# Altium PCB Arrow-ESC.PcbDoc (continued)
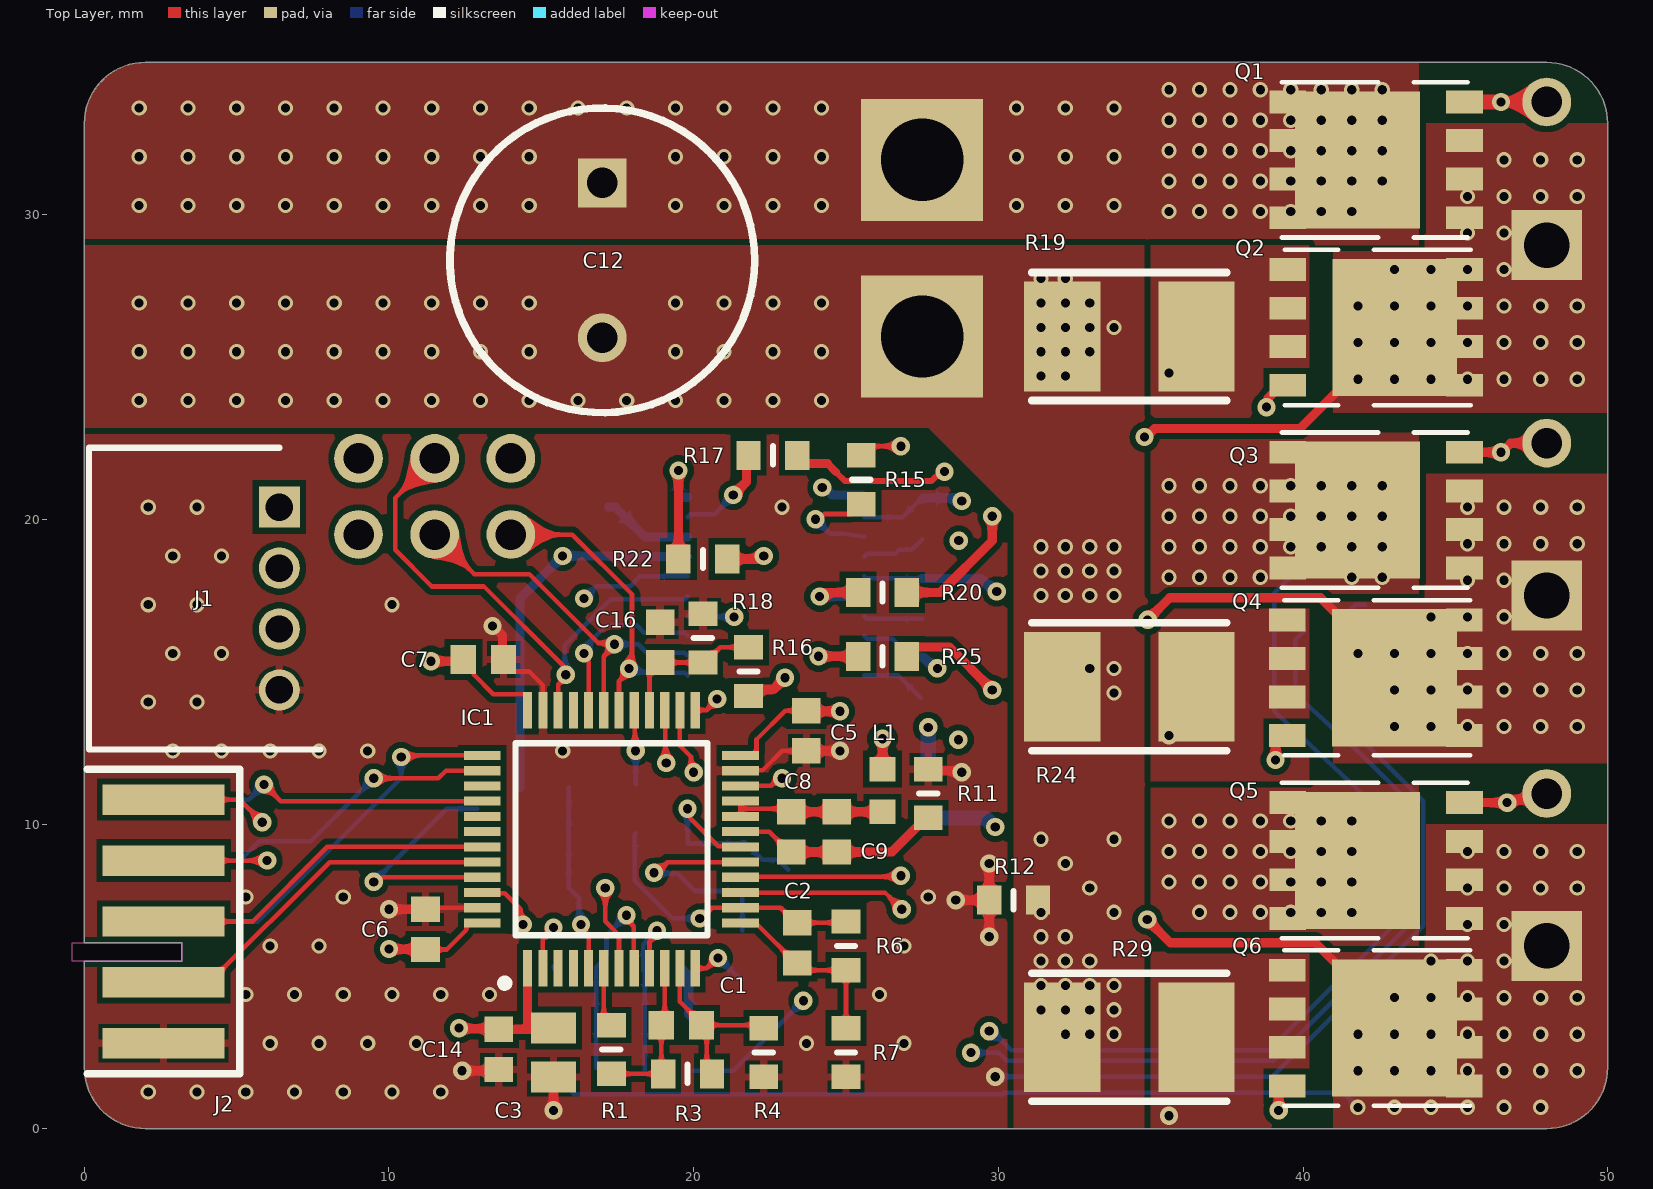
[diagram p0: Top Layer view]
## Components (designator, comment, footprint, x,y, rotation, side; value= is the part's Value field where it differs from the comment)
C1 "0603,NP0,120pF,50V,5%" CAPC1608X90N 19.6,3.4 r180 top (schematic designator C7)
C2 "0603,NP0,120pF,50V,5%" CAPC1608X90N 23.4,6.1 r90 top (schematic designator C8)
C3 "0805,X5R,10uF,25V,10%" CAPC2012X145N 15.4,2.5 r90 top (schematic designator C9)
C4 "0603,X7R,100nF,50V,10%" CAPC1608X90N 40.4,14.3 r180 bottom (schematic designator C10)
C5 "0603,X7R,100nF,50V,10%" CAPC1608X90N 23.7,13.06 r90 top (schematic designator C11)
C6 "0603,X7R,100nF,50V,10%" CAPC1608X90N 11.2,6.54 r270 top (schematic designator C12)
C7 "0603,X7R,100nF,50V,10%" CAPC1608X90N 13.1,15.4 r180 top (schematic designator C13)
C8 "0603,X7R,100nF,50V,10%" CAPC1608X90N 23.2,9.74 r90 top (schematic designator C14)
C9 "0603,X7R,1uF,50V,10%" CAPC1608X90N 24.7,9.74 r90 top (schematic designator C15)
C10 "0603,NP0,120pF,50V,5%" CAPC1608X90N 19.8,8.7 r270 bottom (schematic designator C16)
C11 "0805,X5R,10uF,25V,10%" CAPC2012X145N 17.2,19.6 r270 bottom (schematic designator C1)
C12 "1000uF,25V,20%" CAP-TH_BD10.0-P5.00-D1.0-FD 17,28.5 r270 top (schematic designator C2)
C13 "0603,X7R,15nF,50V,10%" CAPC1608X90N 15.24,7.9 r0 bottom (schematic designator C3)
C14 "0603,X7R,100nF,50V,10%" CAPC1608X90N 13.6,2.6 r90 top (schematic designator C4)
C15 "0603,X7R,100nF,50V,10%" CAPC1608X90N 27.5,20 r270 bottom (schematic designator C5)
C16 "0603,X7R,15nF,50V,10%" CAPC1608X90N 18.9,15.96 r270 top (schematic designator C6)
C17 "0603,X7R,100nF,50V,10%" CAPC1608X90N 27.5,17.4 r270 bottom (schematic designator C5)
C18 "0603,X7R,15nF,50V,10%" CAPC1608X90N 19,5.2 r180 bottom (schematic designator C6)
C19 "0603,X7R,100nF,50V,10%" CAPC1608X90N 27.5,14.8 r270 bottom (schematic designator C5)
C20 "0603,X7R,15nF,50V,10%" CAPC1608X90N 16.14,5.3 r0 bottom (schematic designator C6)
IC1 "STM32G431CBT6" QFP50P900X900X160-48N 17.3,9.5 r90 top (schematic designator IC3)
IC2 "DRV8300DPWR" SOP65P640X120-20N 22.7,17.8 r0 bottom (schematic designator IC1)
IC3 "TMP236A2DBZR" SOT95P237X112-3N 41,17.2 r0 bottom (schematic designator IC2)
J1 "S4B-PH-K-S_LF__SN_" SHDRRA4W50P0X200_1X4_990X760X480P 6.4,20.4 r90 top (schematic designator J2)
J2 "STLINK-SW" 009159010061911 2.6,2.8 r90 top (schematic designator J1)
L1 "600R@100MHz" L0603 26.2,11.1 r90 top
Q1 "SIR182DP-T1-RE3" POWERPAK-SO-8_L5.9-W4.9-P1.27-LS6.2-BL 42.4,31.8 r90 top
Q2 "SIR182DP-T1-RE3" POWERPAK-SO-8_L5.9-W4.9-P1.27-LS6.2-BL 42.4,26.3 r270 top
Q3 "SIR182DP-T1-RE3" POWERPAK-SO-8_L5.9-W4.9-P1.27-LS6.2-BL 42.4,20.3 r90 top (schematic designator Q1)
Q4 "SIR182DP-T1-RE3" POWERPAK-SO-8_L5.9-W4.9-P1.27-LS6.2-BL 42.39,14.8 r270 top (schematic designator Q2)
Q5 "SIR182DP-T1-RE3" POWERPAK-SO-8_L5.9-W4.9-P1.27-LS6.2-BL 42.4,8.8 r90 top (schematic designator Q1)
Q6 "SIR182DP-T1-RE3" POWERPAK-SO-8_L5.9-W4.9-P1.27-LS6.2-BL 42.39,3.3 r270 top (schematic designator Q2)
R1 "0603,0R,5%" RESC1608X55N 17.3,2.6 r90 top (schematic designator R8)
R2 "0603,4.7K,1%" RESC1608X55N 12.9,9.7 r90 bottom (schematic designator R9)
R3 "0603,100K,1%" RESC1608X55N 19.8,1.8 r180 top (schematic designator R10)
R4 "0603,1K,1%" RESC1608X55N 22.3,2.5 r90 top (schematic designator R11)
R5 "0603,0R,5%" RESC1608X55N 18.1,10.5 r90 bottom (schematic designator R12)
R6 "0603,100K,1%" RESC1608X55N 25,6 r90 top (schematic designator R13)
R7 "0603,1K,1%" RESC1608X55N 25,2.5 r90 top (schematic designator R14)
R8 "0603,0R,5%" RESC1608X55N 21.6,5.7 r270 bottom (schematic designator R15)
R9 "0603,100K,1%" RESC1608X55N 21.6,8.6 r270 bottom (schematic designator R16)
R10 "0603,1K,1%" RESC1608X55N 23.1,9.3 r270 bottom (schematic designator R17)
R11 "0603,0R,5%" RESC1608X55N 27.7,11 r90 top (schematic designator R18)
R12 "0603,0R,5%" RESC1608X55N 30.5,7.5 r0 top (schematic designator R19)
R13 "0603,4.7K,1%" RESC1608X55N 15.1,11.2 r180 bottom (schematic designator R1)
R14 "0603,1K,1%" RESC1608X55N 15.1,9.5 r0 bottom (schematic designator R2)
R15 "0603,22R,1%" RESC1608X55N 25.5,21.3 r90 top (schematic designator R3)
R16 "0603,4.7K,1%" RESC1608X55N 21.8,15 r270 top (schematic designator R4)
R17 "0603,22R,1%" RESC1608X55N 22.6,22.1 r0 top (schematic designator R5)
R18 "0603,1K,1%" RESC1608X55N 20.3,16.1 r270 top (schematic designator R6)
R19 "2512,1mR,1%" RES-SMD_L6.4-W3.2_RLP25 34.3,26 r0 top (schematic designator R7)
R20 "0603,22R,1%" RESC1608X55N 26.2,17.6 r0 top (schematic designator R3)
R21 "0603,4.7K,1%" RESC1608X55N 19.2,1.9 r0 bottom (schematic designator R4)
R22 "0603,22R,1%" RESC1608X55N 20.3,18.7 r0 top (schematic designator R5)
R23 "0603,1K,1%" RESC1608X55N 19.2,3.6 r180 bottom (schematic designator R6)
R24 "2512,1mR,1%" RES-SMD_L6.4-W3.2_RLP25 34.3,14.5 r0 top (schematic designator R7)
R25 "0603,22R,1%" RESC1608X55N 26.2,15.5 r0 top (schematic designator R3)
R26 "0603,4.7K,1%" RESC1608X55N 16,2 r180 bottom (schematic designator R4)
R27 "0603,22R,1%" RESC1608X55N 27.7,11 r270 bottom (schematic designator R5)
R28 "0603,1K,1%" RESC1608X55N 16,3.6 r0 bottom (schematic designator R6)
R29 "2512,1mR,1%" RES-SMD_L6.4-W3.2_RLP25 34.3,3 r0 top (schematic designator R7)

## Footprints (in the part's own frame and the unit in brackets; to place one, negate y for a bottom-side part, rotate by r counter-clockwise, add the part's x,y. Pads: shape width x height; smd on the part's side, far side on the other; paste and mask are expansions set on the pad)
009159010061911 [mm]
  rect 1x4 smd: 1(0,0) 2(2,0) 3(4,0) 4(6,0) 5(8,0)
  rect 1x4 smd far side: 6(0,0) 7(2,0) 8(4,0) 9(6,0) 10(8,0)
  Keep-Out Layer board cut-out: 2.7,3 3.3,3 3.3,-0.6 2.7,-0.6
  silkscreen extent -1,-2.5 9,2.5
CAP-TH_BD10.0-P5.00-D1.0-FD [mm]
  rect 1.6x1.6 hole 1: 1(-2.54,0)
  round 1.6 hole 1: 2(2.54,0)
  silkscreen extent -5,-5 5,5, body extent -4.99,-5 5.01,5, height 16.1
CAPC1608X90N [mm]
  rect 0.83x0.94 smd: 1(-0.66,0) 2(0.66,0)
  body extent -0.8,-0.4 0.8,0.4, height 0.9
CAPC2012X145N [mm]
  rect 1.02x1.47 smd: 1(-0.8,0) 2(0.8,0)
  body extent -1,-0.63 1,0.63, height 1.45
L0603 [mm]
  rect 0.8x0.86 smd: 1(-0.7,0) 2(0.7,0)
  body extent -0.8,-0.4 0.8,0.4, height 0.5
POWERPAK-SO-8_L5.9-W4.9-P1.27-LS6.2-BL [mm]
  rect 0.75x1.2 smd: 1(-1.9,-2.9) 2(-0.63,-2.9) 3(0.63,-2.9) 4(1.9,-2.9) 5(1.9,2.9) 6(0.63,2.9) 7(-0.63,2.9) 8(-1.9,2.9)
  rect 4.5x4.1 smd: 8(0,0.61)
  silkscreen extent -2.55,-3 2.55,3.1, body extent -2.58,-3.08 2.58,3.08, height 1.06
QFP50P900X900X160-48N [mm]
  rect 1.2x0.3 smd: 1(-4.238,2.75) 2(-4.238,2.25) 3(-4.238,1.75) 4(-4.238,1.25) 5(-4.238,0.75) 6(-4.238,0.25) 7(-4.238,-0.25) 8(-4.238,-0.75) 9(-4.238,-1.25) 10(-4.238,-1.75) 11(-4.238,-2.25) 12(-4.238,-2.75) 25(4.238,-2.75) 26(4.238,-2.25) 27(4.238,-1.75) 28(4.238,-1.25) 29(4.238,-0.75) 30(4.238,-0.25) 31(4.238,0.25) 32(4.238,0.75) 33(4.238,1.25) 34(4.238,1.75) 35(4.238,2.25) 36(4.238,2.75)
  rect 0.3x1.2 smd: 13(-2.75,-4.238) 14(-2.25,-4.238) 15(-1.75,-4.238) 16(-1.25,-4.238) 17(-0.75,-4.238) 18(-0.25,-4.238) 19(0.25,-4.238) 20(0.75,-4.238) 21(1.25,-4.238) 22(1.75,-4.238) 23(2.25,-4.238) 24(2.75,-4.238) 37(2.75,4.238) 38(2.25,4.238) 39(1.75,4.238) 40(1.25,4.238) 41(0.75,4.238) 42(0.25,4.238) 43(-0.25,4.238) 44(-0.75,4.238) 45(-1.25,4.238) 46(-1.75,4.238) 47(-2.25,4.238) 48(-2.75,4.238)
  silkscreen extent -4.85,-3.15 3.15,3.62, body extent -4.5,-4.5 4.5,4.5, height 1.6
RES-SMD_L6.4-W3.2_RLP25 [mm]
  rect 2.5x3.6 smd: 1(-2.2,0) 2(2.2,0)
  silkscreen extent -3.2,-2.1 3.2,2.1, body extent -3.2,-1.6 3.2,1.6, height 0.54
RESC1608X55N [mm]
  rect 0.8x0.95 smd: 1(-0.8,0) 2(0.8,0)
  silkscreen extent 0,-0.3 0,0.3, body extent -0.8,-0.4 0.8,0.4, height 0.55
SHDRRA4W50P0X200_1X4_990X760X480P [mm]
  rect 1.35x1.35 hole 0.9: 1(0,0)
  round 1.35 hole 0.9: 2(-2,0) 3(-4,0) 4(-6,0)
  silkscreen extent -7.95,-1.35 1.95,6.25, body extent -7.95,-1.3 1.95,6.3, height 4.8
SOP65P640X120-20N [mm]
  rect 1.5x0.45 smd: 1(-2.9,2.925) 2(-2.9,2.275) 3(-2.9,1.625) 4(-2.9,0.975) 5(-2.9,0.325) 6(-2.9,-0.325) 7(-2.9,-0.975) 8(-2.9,-1.625) 9(-2.9,-2.275) 10(-2.9,-2.925) 11(2.9,-2.925) 12(2.9,-2.275) 13(2.9,-1.625) 14(2.9,-0.975) 15(2.9,-0.325) 16(2.9,0.325) 17(2.9,0.975) 18(2.9,1.625) 19(2.9,2.275) 20(2.9,2.925)
  silkscreen extent -3.67,-3.25 1.85,3.5, body extent -3.2,-3.25 3.2,3.25, height 1.13
SOT95P237X112-3N [mm]
  rect 1.25x0.6 smd: 1(-1.05,0.95) 2(-1.05,-0.95) 3(1.05,0)
  silkscreen extent -1.68,-1.46 0.08,1.5, body extent -1.27,-1.46 1.27,1.46, height 1

## Part data
C1 C2 C10: library part CC0603JRNPO9BN121, "50V 120pF NP0 ±5% 0603 Multilayer Ceramic Capacitors MLCC - SMD/SMT ROHS", Arrow Part Number=CC0603KRX7R9BB104, LCSC Part #=C107035, Manufacturer_Name=YAGEO, Mouser Part Number=603-CC603KRX7R9BB104, Arrow Price/Stock=https://www.arrow.com/en/products/cc0603krx7r9bb104/yageo?utm_currency=USD&region=europe, Datasheet Link=https://componentsearchengine.com/Datasheets/2/CC0603KRX7R9BB104.pdf, Height=0.9mm, Manufacturer_Part_Number=CC0603JRNPO9BN121, Mouser Price/Stock=https://www.mouser.co.uk/ProductDetail/YAGEO/CC0603KRX7R9BB104?qs=vTakOoo5QyLvVCYM2ge8LQ%3D%3D
C3 C11: library part CC0805KKX5R8BB106, "10 µF ±10% 25V Ceramic Capacitor X5R 0805 (2012 Metric)", LCSC Part #=C89831, Manufacturer_Name=YAGEO, Mouser Part Number=603-CC805KKX5R8BB106, Arrow Part Number=CC0805KKX5R8BB106, Arrow Price/Stock=https://www.arrow.com/en/products/cc0805kkx5r8bb106/yageo?utm_currency=USD&region=nac, Datasheet Link=https://www.yageo.com/upload/media/product/productsearch/datasheet/mlcc/UPY-GPHC_X5R_4V-to-50V_27.pdf, Height=1.45mm, Manufacturer_Part_Number=CC0805KKX5R8BB106, Mouser Price/Stock=https://www.mouser.co.uk/ProductDetail/YAGEO/CC0805KKX5R8BB106?qs=57cj7OiSijm89pM64t1AGQ%3D%3D
C4 C5 C6 C7 C8 C14 C15 C17 C19: library part CC0603KRX7R9BB104, "50V 100nF X7R ±10% 0603 Multilayer Ceramic Capacitors MLCC - SMD/SMT ROHS", LCSC Part #=C14663, Manufacturer_Name=YAGEO, Mouser Part Number=603-CC603KRX7R9BB104, Arrow Part Number=CC0603KRX7R9BB104, Arrow Price/Stock=https://www.arrow.com/en/products/cc0603krx7r9bb104/yageo?utm_currency=USD&region=europe, Datasheet Link=https://componentsearchengine.com/Datasheets/2/CC0603KRX7R9BB104.pdf, Height=0.9mm, Manufacturer_Part_Number=CC0603KRX7R9BB104, Mouser Price/Stock=https://www.mouser.co.uk/ProductDetail/YAGEO/CC0603KRX7R9BB104?qs=vTakOoo5QyLvVCYM2ge8LQ%3D%3D
C9: library part CC0603KRX7R9BB105, "50V 1uF X7R ±10% 0603 Multilayer Ceramic Capacitors MLCC - SMD/SMT ROHS", LCSC Part #=C559769, Manufacturer_Name=YAGEO, Mouser Part Number=603-CC603KRX7R9BB105, Arrow Part Number=CC0603KRX7R9BB105, Arrow Price/Stock=https://www.arrow.com/en/products/cc0603krx7r9bb105/yageo?utm_currency=USD&region=nac, Datasheet Link=https://www.yageo.com/upload/media/product/app/datasheet/mlcc/upy-gphc_x7r_6_3v-to-250v.pdf, Height=0.95mm, Manufacturer_Part_Number=CC0603KRX7R9BB105, Mouser Price/Stock=https://www.mouser.co.uk/ProductDetail/YAGEO/CC0603KRX7R9BB105?qs=6wERJjOp3mmF17%252BYi8cgJQ%3D%3D
C12: library part 25PK1000MEFC10*16, "1000uF 25V ±20% 870mA@120Hz Through Hole,D10xL16mm Aluminum Electrolytic Capacitors - Leaded ROHS", LCSC Part #=C109451
C13 C16 C18 C20: library part CC0603KRX7R9BB153, "50V 15nF X7R ±10% 0603 Multilayer Ceramic Capacitors MLCC - SMD/SMT ROHS", Arrow Part Number=CC0603KRX7R9BB104, LCSC Part #=C107076, Manufacturer_Name=YAGEO, Mouser Part Number=603-CC603KRX7R9BB104, Arrow Price/Stock=https://www.arrow.com/en/products/cc0603krx7r9bb104/yageo?utm_currency=USD&region=europe, Datasheet Link=https://componentsearchengine.com/Datasheets/2/CC0603KRX7R9BB104.pdf, Height=0.9mm, Manufacturer_Part_Number=CC0603KRX7R9BB153, Mouser Price/Stock=https://www.mouser.co.uk/ProductDetail/YAGEO/CC0603KRX7R9BB104?qs=vTakOoo5QyLvVCYM2ge8LQ%3D%3D
IC1: "Arm Cortex-M4 32-bit MCU+FPU, 170 MHz / 213 DMIPS, up to 128 KB Flash, 32 KB SRAM, rich analog, math accelerator", LCSC Part #=C529355, Manufacturer_Name=STMicroelectronics, Mouser Part Number=511-STM32G431CBT6, Arrow Part Number=STM32G431CBT6, Arrow Price/Stock=https://www.arrow.com/en/products/stm32g431cbt6/stmicroelectronics?utm_currency=USD&region=nac, Datasheet Link=https://www.st.com/resource/en/datasheet/stm32g431cb.pdf, Height=1.6mm, Manufacturer_Part_Number=STM32G431CBT6, Mouser Price/Stock=https://www.mouser.co.uk/ProductDetail/STMicroelectronics/STM32G431CBT6?qs=T3oQrply3y8OocyGDXq5wg%3D%3D
IC2: "TSSOP-20 Brushless DC (BLDC) Motor Driver ROHS", LCSC Part #=C3036056, Manufacturer_Name="Texas Instruments", Mouser Part Number=595-DRV8300DPWR, Arrow Part Number=DRV8300DPWR, Arrow Price/Stock=https://www.arrow.com/en/products/drv8300dpwr/texas-instruments?utm_currency=USD&region=nac, Height=1.2mm, Manufacturer_Part_Number=DRV8300DPWR, Mouser Price/Stock=https://www.mouser.co.uk/ProductDetail/Texas-Instruments/DRV8300DPWR?qs=eP2BKZSCXI6qJbKdYnGwBg%3D%3D
IC3: "Low-power and high-precision analog output temperature sensor", LCSC Part #=C2859666, Manufacturer_Name="Texas Instruments", Mouser Part Number=595-TMP236A2DBZR, Arrow Part Number=TMP236A2DBZR, Arrow Price/Stock=https://www.arrow.com/en/products/tmp236a2dbzr/texas-instruments?region=nac, Datasheet Link=http://www.ti.com/lit/gpn/tmp236, Height=1.12mm, Manufacturer_Part_Number=TMP236A2DBZR, Mouser Price/Stock=https://www.mouser.co.uk/ProductDetail/Texas-Instruments/TMP236A2DBZR?qs=lc2O%252BfHJPVanftlPgPUvow%3D%3D
J1: "1x4P 4P PH Tin 4 -25℃~+85℃ 2A 1 2mm Brass Right Angle Through Hole,Right Angle,P=2mm Wire To Board Connector ROHS", Arrow Part Number=S4B-PH-K-S(LF)(SN), LCSC Part #=C157926, Manufacturer_Name="JST (JAPAN SOLDERLESS TERMINALS)", Mouser Part Number=N/A, Arrow Price/Stock=https://www.arrow.com/en/products/s4b-ph-k-s-lf-sn/jst-manufacturing?utm_currency=USD&region=europe, Datasheet Link=https://datasheet.lcsc.com/szlcsc/JST-Sales-America-PHsocket-1-4P-Curved-needle-pitch2mm_C157926.pdf, Height=4.8mm, Manufacturer_Part_Number=S4B-PH-K-S(LF)(SN), Mouser Price/Stock=https://www.mouser.co.uk/ProductDetail/JST-Commercial/S4B-PH-K-SLFSN?qs=QpmGXVUTftEGA16rwNx4xw%3D%3D
J2: "SSL Connector 10 Position Adapter, Bridge Board to Board - Card Edge 0.079\" (2.00mm)"
L1: library part BLM18AG601SN1D, "380mΩ ±25% 600Ω@100MHz 0603 Ferrite Beads ROHS", LCSC Part #=C19330
Q1 Q2 Q3 Q4 Q5 Q6: "60V 117A 2.8mΩ@10V,15A 2V 1 N-Channel PowerPAKSO-8 MOSFETs ROHS", LCSC Part #=C467943
R1 R5 R8 R11 R12: library part RC0603JR-070RL, "100mW Thick Film Resistor 75V ±5% 0Ω 0603 Chip Resistor - Surface Mount ROHS", LCSC Part #=C95177, Manufacturer_Name=YAGEO, Datasheet Link=https://www.mouser.com/catalog/specsheets/YAGEO_PYu_RC_Group_51_RoHS_L_12.pdf, Height=0.55mm, Manufacturer_Part_Number=RC0603JR-070RL
R2 R13 R16 R21 R26: library part RC0603FR-074K7L, "100mW Thick Film Resistor 75V ±100ppm/℃ ±1% 4.7kΩ 0603 Chip Resistor - Surface Mount ROHS", LCSC Part #=C99782, Manufacturer_Name=YAGEO, Datasheet Link=https://www.mouser.com/catalog/specsheets/YAGEO_PYu_RC_Group_51_RoHS_L_12.pdf, Height=0.55mm, Manufacturer_Part_Number=RC0603FR-074K7L
R3 R6 R9: library part RC0603FR-07100KL, "100mW Thick Film Resistor 75V ±100ppm/℃ ±1% 100kΩ 0603 Chip Resistor - Surface Mount ROHS", LCSC Part #=C14675, Manufacturer_Name=YAGEO, Datasheet Link=https://www.mouser.com/catalog/specsheets/YAGEO_PYu_RC_Group_51_RoHS_L_12.pdf, Height=0.55mm, Manufacturer_Part_Number=RC0603FR-07100KL
R4 R7 R10 R14 R18 R23 R28: library part RC0603FR-071KL, "100mW Thick Film Resistor 75V ±100ppm/℃ ±1% 1kΩ 0603 Chip Resistor - Surface Mount ROHS", LCSC Part #=C22548, Manufacturer_Name=YAGEO, Datasheet Link=https://www.mouser.com/catalog/specsheets/YAGEO_PYu_RC_Group_51_RoHS_L_12.pdf, Height=0.55mm, Manufacturer_Part_Number=RC0603FR-071KL
R15 R17 R20 R22 R25 R27: library part RC0603FR-0722RL, "100mW Thick Film Resistor 75V ±100ppm/℃ ±1% 22Ω 0603 Chip Resistor - Surface Mount ROHS", LCSC Part #=C107701, Manufacturer_Name=YAGEO, Mouser Part Number=603-RC0603FR-0722RL, Arrow Part Number=RC0603FR-0722RL, Arrow Price/Stock=https://www.arrow.com/en/products/rc0603fr-0722rl/yageo?region=nac, Datasheet Link=http://www.farnell.com/datasheets/1868787.pdf, Height=0.55mm, Manufacturer_Part_Number=RC0603FR-0722RL, Mouser Price/Stock=https://www.mouser.co.uk/ProductDetail/YAGEO/RC0603FR-0722RL?qs=diQw95jMAeMOsxb8bne7fg%3D%3D
R19 R24 R29: library part PA2512FKF7T0R001E, "3W 1mΩ Surface Mount Current Sense Resistor ±100ppm/℃ ±1% 2512 Current Sense Resistors / Shunt Resistors ROHS", LCSC Part #=C723380

## Free pads (board coordinates)
  rect 4x4 hole 2.7: 26(27.5,26) 26(27.5,31.8)
  round 1.6 hole 1: 27(9,19.5) 27(9,22) 27(11.5,19.5) 27(11.5,22) 27(14,19.5) 27(14,22) 27(48,11) 27(48,22.5) 27(48,33.7)
  rect 2.3x2.3 hole 1.5: A(48,6) B(48,17.5) C(48,29)

## Via types
v1: diameter 0.5, hole 0.3, Top Layer to Bottom Layer, 343 vias
v2: diameter 0.6, hole 0.3, Top Layer to Bottom Layer, tented both sides, 78 vias
v3: diameter 0.5, hole 0.3, Top Layer to Bottom Layer, tented both sides, 44 vias
v4: diameter 0.6, hole 0.3, Top Layer to Bottom Layer, 1 vias

## Nets (pads, with @x,y where several pads share a name; then routed paths per layer and width w, separated by ;. In a path a pad name is that pad's centre, name@x,y a point inside that pad or via, vN(x,y) a via of type N, cw(c..) or ccw(c..) an arc to the next point about the centre after c; other vN are vias at no path point)
ADC1_IN1: C20.2 IC1.8 R26.1 R28.2 | length 7.3
  Top Layer w0.15: v2(17.793,7.004) 17.793,6.882 18.029,6.646 18.029,5.283 IC1.8
  Bottom Layer w0.15: R26.1 R28.2 C20.2 17.14,5.64 17.14,6.351 v2(17.793,7.004)
ADC1_IN2: C18.2 IC1.9 R21.1 R23.2 | length 6.2
  Top Layer w0.15: IC1.9 18.55,6.128 18.8,6.378 v2(18.8,6.5)
  Bottom Layer w0.15: R21.1 R23.2 18.4,5.14 C18.2 18.34,6.04 v2(18.8,6.5)
ADC1_IN5: C16.2 IC1.28 R16.1 R18.2 | length 5.1
  Top Layer w0.15: IC1.28 18.55,14.96 18.89,15.3 20.375,15.3 20.875,15.8 R16.1@22.099,15.8
ADC1_IN10: C13.2 IC1.5 R13.1 R14.2 | length 6.2
  Top Layer w0.15: v2(16.3,6.7) 16.3,6.578 16.55,6.328 IC1.5
  Bottom Layer w0.15: R13.1 R14.2 C13.2 16.24,7.56 16.24,6.76 v2(16.3,6.7)
ADC1_IN11: IC1.26 IC3.2 | length 44.7
  Top Layer w0.15: IC1.26 19.55,12.566 19.914,12.202 19.914,11.786 v2(20,11.7)
  Int4 w0.3: v2(20,11.7) 28.5,3.2 v2(29.7,3.2)
  Bottom Layer w0.15: v2(29.7,3.2) 29.799,3.2 30.424,2.575 38.875,2.575 43.1,6.8 43.1,9.908 43.056,9.952 43.054,9.953 39.211,13.555 39.209,13.557 39.05,13.716 39.05,17.575 39.723,18.248 IC3.2@40.048,18.248
ADC2_IN10: IC1.6 R1.2 | length 2
  Top Layer w0.15: IC1.6 17.05,3.65 R1.2
ADC2_IN15: IC1.29 R5.2 | length 2.5
  Top Layer w0.15: IC1.29 18.071,13.717 18.071,12.429 v2(18.095,12.405)
  Bottom Layer w0.15: v2(18.095,12.405) 18.095,11.305 R5.2
ADC2_IN17: IC1.12 R8.2 | length 2
  Top Layer w0.15: IC1.12 20.425,5.262 20.763,5.6 v2(20.8,5.6)
  Bottom Layer w0.15: v2(20.8,5.6) 20.825,5.6 21.525,4.9 R8.2
AGND: C8.1 C9.1 IC1.19 R11.1 | length 6.9
  Top Layer w0.15: IC1.19 22.475,9.75 23.145,9.08 C8.1
  Top Layer w0.3: C8.1 C9.1 26.505,9.08 27.625,10.2 R11.1
DGND: C3.1 C4.1 C5.1 C6.1 C7.1 C11.1 C13.1 C14.1 C16.1 C18.1 C20.1 IC1.23 IC1.35 IC1.47 IC2.8 IC3.3 J1.4 J2.1 R2.1 R4.1 R7.1 R10.1 R11.2 R12.1 R14.1 R18.1 R23.1 R28.1 | length 50.8
  Top Layer w0.15: C6.1 11.25,7.25 IC1.47 ; C7.1 13.76,15.345 14.1,15.005 14.608,15.005 15.05,14.563 IC1.35 ; IC1.23 21.559,11.771 22.274,11.771 22.903,12.4 C5.1
  Top Layer w0.3: v2(10,7.2) C6.1 ; v2(12.4,1.9) 13.56,1.9 C14.1 ; v2(13.4,16.5) 13.416,16.5 13.73,16.186 13.73,15.43 C7.1 ; v2(15.4,0.6) C3.1 ; C5.1@23.9,12.2 C5.1 v2(24.8,12.4) ; R11.2 27.75,11.75 28.75,11.75 v2(28.8,11.7) ; v2(28.6,7.5) R12.1 ; v2(29.7,6.3) R12.1 ; v2(29.7,8.7) R12.1
  Bottom Layer w0.15: v2(29.9,1.704) 38.994,1.704 43.95,6.66 43.95,10.749 41.06,13.639 41.06,16.535 41.725,17.2 IC3.3
  Bottom Layer w0.3: C11.1 17.425,20.4 18.4,19.425 IC2.8 ; C18.1 19.83,5.03 19.83,3.77 R23.1
  other v3: 2.1,1.2 3.7,1.2 5.3,1.2 6.9,1.2 8.5,1.2 10.1,1.2 11.7,1.2 6.1,2.8 7.7,2.8 9.3,2.8 10.9,2.8 23.7,2.8 26.9,2.8 5.3,4.4 6.9,4.4 8.5,4.4 10.1,4.4 11.7,4.4 13.3,4.4 26.1,4.4 6.1,6 7.7,6 26.9,6 5.3,7.6 8.5,7.6 27.7,7.6 2.9,12.4 4.5,12.4 6.1,12.4 7.7,12.4 9.3,12.4 15.7,12.4 2.1,14 3.7,14 2.9,15.6 4.5,15.6 2.1,17.2 3.7,17.2 10.1,17.2 2.9,18.8 4.5,18.8 2.1,20.4 3.7,20.4 22.9,20.4
NetC15_1: C15.1 IC2.12 pad.C Q1.1 Q1.2 Q1.3 Q2.5 Q2.6 Q2.7 Q2.8 R16.2 | length 28.7
  Top Layer w0.3: R16.2 22.017,14.417 22.617,14.417 v2(23,14.8) ; v2(34.8,22.7) 34.847,22.7 35.126,22.979 39.889,22.979 41.61,24.7 Q2.8@41.8,24.7
  Int4 w0.3: v2(23,14.8) 24.392,14.8 26.567,16.975 26.567,18.367 v2(28.8,20.6) 29.85,21.65 33.75,21.65 v2(34.8,22.7)
  Bottom Layer w0.15: IC2.12 26.86,20.075 27.445,20.66 C15.1
  Bottom Layer w0.3: C15.1 27.54,20.7 28.619,20.7 28.719,20.6 v2(28.8,20.6)
  other v1: 41.8,24.6 43,24.6 44.2,24.6 45.4,24.6 46.6,24.6 47.8,24.6 49,24.6 41.8,25.8 43,25.8 44.2,25.8 45.4,25.8 46.6,25.8 47.8,25.8 49,25.8 41.8,27 43,27 44.2,27 45.4,27 46.6,27 47.8,27 49,27 43,28.2 44.2,28.2 45.4,28.2 46.6,28.2 45.4,29.4 46.6,29.4 45.4,30.6 46.6,30.6 47.8,30.6 49,30.6 46.6,31.8 47.8,31.8 49,31.8
NetC15_2: C15.2 IC2.14 | length 2.1
  Bottom Layer w0.15: IC2.14 25.696,18.871 26.625,18.871 26.754,19 27.16,19 C15.2
NetC17_1: C17.1 IC2.15 pad.B Q3.1 Q3.2 Q3.3 Q4.5 Q4.6 Q4.7 Q4.8 R21.2 | length 38.6
  Top Layer w0.3: v2(34.9,16.7) 35.625,17.425 40.575,17.425 41.8,16.2 v1(41.8,15.6)
  Int3 w0.3: v2(23.6,4.2) 23.6,7.675 v2(28.689,12.764)
  Int4 w0.3: v2(28.689,12.764) 28.689,14.57 30.319,16.2 ; v2(29.948,17.632) 29.948,16.57 30.319,16.2 ; v2(34.9,16.7) 34.839,16.7 34.339,16.2 30.319,16.2
  Bottom Layer w0.15: R21.2 21.3,1.9 v2(23.6,4.2) ; IC2.15 25.665,18.06 C17.1
  Bottom Layer w0.3: C17.1 29.439,18.06 29.867,17.632 v2(29.948,17.632)
  other v1: 43,13.2 44.2,13.2 45.4,13.2 46.6,13.2 47.8,13.2 49,13.2 43,14.4 44.2,14.4 45.4,14.4 46.6,14.4 47.8,14.4 49,14.4 43,15.6 44.2,15.6 45.4,15.6 46.6,15.6 47.8,15.6 49,15.6 44.2,16.8 45.4,16.8 46.6,16.8 45.4,18 46.6,18 45.4,19.2 46.6,19.2 47.8,19.2 49,19.2 45.4,20.4 46.6,20.4 47.8,20.4 49,20.4
NetC17_2: C17.2 IC2.17 | length 1.9
  Bottom Layer w0.15: IC2.17 25.685,16.74 C17.2
NetC19_1: C19.1 IC2.18 pad.A Q5.1 Q5.2 Q5.3 Q6.5 Q6.6 Q6.7 Q6.8 R26.2 | length 50.3
  Top Layer w0.3: v2(34.889,6.863) 35.649,6.103 40.397,6.103 42.2,4.3 v1(43,4.3)
  Int1 w0.3: v2(27.998,15.108) 27.998,14.402 30.5,11.9 30.5,11.251 v2(34.889,6.863)
  Bottom Layer w0.15: R26.2 15.2,1.925 15.525,1.6 15.6,1.6 16.071,1.129 30.138,1.129 30.184,1.175 41.325,1.175 v1(41.8,0.7) ; IC2.18 25.696,16.079 26.526,16.079 26.805,15.8 27.16,15.8 C19.1
  Bottom Layer w0.3: C19.1 27.555,15.46 27.849,15.166 27.94,15.166 v2(27.998,15.108)
  other v1: 43,0.7 44.2,0.7 45.4,0.7 46.6,0.7 47.8,0.7 41.8,1.9 43,1.9 44.2,1.9 45.4,1.9 46.6,1.9 47.8,1.9 49,1.9 41.8,3.1 43,3.1 44.2,3.1 45.4,3.1 46.6,3.1 47.8,3.1 49,3.1 44.2,4.3 45.4,4.3 46.6,4.3 47.8,4.3 49,4.3 44.2,5.5 45.4,5.5 46.6,5.5 45.4,6.7 46.6,6.7 45.4,7.9 46.6,7.9 47.8,7.9 49,7.9 45.4,9.1 46.6,9.1 47.8,9.1 49,9.1
NetC19_2: C19.2 IC2.20 | length 2.1
  Bottom Layer w0.15: IC2.20 26.71,14.875 C19.2@27.445,14.14
NetIC1_45: IC1.45 R2.2 | length 8
  Top Layer w0.15: v2(9.5,8.1) 9.622,8.1 9.772,8.25 IC1.45
  Bottom Layer w0.15: v2(9.5,8.1) 11.9,10.5 R2.2
NetIC2_9: IC2.9 R17.1 | length 3.3
  Top Layer w0.3: v2(21.3,20.8) 21.729,21.229 21.729,22.029 R17.1
  Bottom Layer w0.15: IC2.9 19.896,20.171 20.686,20.171 21.3,20.785 v2(21.3,20.8)
NetIC2_10: IC2.10 R22.1 | length 4
  Top Layer w0.3: R22.1 v2(19.5,21.6)
  Bottom Layer w0.3: v2(19.5,21.6) 19.5,20.8 19.575,20.725 IC2.10
NetIC2_11: IC2.11 R27.1 | length 12.2
  Int1 w0.5: v2(24.22,21.046) 26.047,19.219 26.047,14.853 27.681,13.219 27.681,13.19 v2(27.7,13.171)
  Bottom Layer w0.3: v2(24.22,21.046) 24.301,21.046 24.547,20.8 25.525,20.8 IC2.11
  Bottom Layer w0.5: R27.1 v2(27.7,13.171)
NetIC2_13: IC2.13 R15.1 | length 3.5
  Top Layer w0.15: v2(24,20.004) 24.122,20.004 24.293,20.175 25.175,20.175 R15.1
  Bottom Layer w0.15: v2(24,20.004) 24,20 24.479,19.521 24.925,19.521 IC2.13
NetIC2_16: IC2.16 R20.1 | length 2.8
  Top Layer w0.3: v2(24.135,17.464) 24.217,17.464 24.352,17.6 R20.1
  Bottom Layer w0.3: v2(24.135,17.464) 24.141,17.47 25.595,17.47 IC2.16
NetIC2_19: IC2.19 R25.1 | length 2.8
  Top Layer w0.3: v2(24.1,15.504) 25.396,15.504 R25.1
  Bottom Layer w0.3: v2(24.1,15.504) 24.111,15.515 25.589,15.515 IC2.19
NetQ1_4: pad.27@48,33.7 Q1.4 R15.2 | length 28.5
  Top Layer w0.15: R15.2 25.9,22.4 v2(26.8,22.4)
  Top Layer w0.3: v2(46.5,33.7) pad.27@48,33.7
  Top Layer w0.5: Q1.4 v2(46.5,33.7)
  Int1 w0.5: v2(26.8,22.4) 27.6,23.2 31.85,23.2 35.05,26.4 39.21,26.4 46.5,33.69 v2(46.5,33.7)
NetQ2_4: Q2.4 R17.2 | length 17.9
  Top Layer w0.2: 24.671,21.553 24.97,21.254 27.803,21.254 27.95,21.401 27.964,21.401 28.114,21.551 28.114,21.564 v2(28.235,21.564)
  Top Layer w0.25: 24.398,21.827 24.671,21.553
  Top Layer w0.3: R17.2 23.4,22.077 23.65,21.827 24.398,21.827 ; v2(38.8,23.683) 38.857,23.74 38.857,23.982 39.275,24.4 Q2.4
  Int1 w0.5: v2(28.235,21.564) 32.464,21.564 34.583,23.683 v2(38.8,23.683)
NetQ3_4: pad.27@48,22.5 Q3.4 R20.2 | length 24.7
  Top Layer w0.3: R20.2 28.1,17.6 29.8,19.3 v2(29.8,20.1) ; Q3.4@45.34,22.2 46.514,22.2 46.814,22.5 pad.27@48,22.5
  Int1 w0.5: v2(29.8,20.1) 33.3,20.1 35.4,22.2 v2(46.5,22.2)
NetQ4_4: Q4.4 R22.2 | length 23.2
  Top Layer w0.3: R22.2 22.119,18.7 22.219,18.8 v2(22.3,18.8) ; v2(39.1,12.1) 39.1,12.675 39.325,12.9 Q4.4
  Int3 w0.3: v2(22.3,18.8) 22.8,19.3 v2(28.7,19.3)
  Int1 w0.5: v2(28.7,19.3) 28.7,17.7 34.3,12.1 v2(39.1,12.1)
NetQ5_4: pad.27@48,11 Q5.4 R25.2 | length 24.6
  Top Layer w0.3: R25.2 27,15.562 27.25,15.812 28.388,15.812 v2(29.8,14.4) ; Q5.4@45.525,10.7 46.781,10.7 46.891,10.81 47.81,10.81 pad.27@48,11
  Int1 w0.5: v2(29.8,14.4) 33.3,10.9 46.473,10.9 46.673,10.7 v2(46.7,10.7)
NetQ6_4: Q6.4 R27.2 | length 16.4
  Top Layer w0.3: v2(39.2,0.6) 39.2,1.175 39.425,1.4 Q6.4
  Int1 w0.5: v2(29.9,9.9) v2(39.2,0.6)
  Bottom Layer w0.5: R27.2 29.573,10.2 29.873,9.9 v2(29.9,9.9)
NRST: IC1.7 J2.4 | length 17.7
  Top Layer w0.15: J2.4 v2(6,8.8) ; v2(17.1,7.9) 17.1,6.808 17.55,6.358 IC1.7
  Int3 w0.15: v2(6,8.8) 11.39,8.8 12.29,7.9 v2(17.1,7.9)
OPAMP1_VINM: C1.1 IC1.11 R3.1 R4.2 | length 6
  Top Layer w0.15: IC1.11 19.55,4.165 20.26,3.455 C1.1 ; R3.1 20.43,1.97 20.43,3.23 C1.1 ; R4.2 22.2,3.4 C1.1
OPAMP1_VINP: IC1.15 Q6.1 Q6.2 Q6.3 R29.2 | length 17.1
  Top Layer w0.15: IC1.15 26.279,7.75 v2(26.829,7.2)
  Int4 w0.3: v2(26.829,7.2) 33.604,0.425 v2(35.6,0.425)
OPAMP1_VOUT: C1.2 IC1.10 R1.1 R3.2 | length 5.2
  Top Layer w0.15: R1.1 R3.2 18.94,1.86 C1.2 19.05,3.51 IC1.10
OPAMP2_VINM: C2.1 IC1.13 R6.1 R7.2 | length 6
  Top Layer w0.15: IC1.13 21.613,6.675 22.11,6.675 23.345,5.44 C2.1 23.64,5.2 R6.1 R7.2
OPAMP2_VINP: IC1.16 Q4.1 Q4.2 Q4.3 R24.2 | length 16
  Top Layer w0.15: IC1.16 21.559,8.271 26.771,8.271 v2(26.8,8.3)
  Int4 w0.3: v2(26.8,8.3) 30.5,12 34.696,12 v2(35.6,12.904)
OPAMP2_VOUT: C2.2 IC1.14 R5.1 R6.2 | length 9.4
  Top Layer w0.15: v2(20.2,6.9) 20.242,6.9 20.592,7.25 IC1.14 22.855,7.25 23.345,6.76 C2.2 24.96,6.76 R6.2
  Bottom Layer w0.15: R5.1 18.071,9.671 18.071,8.139 19.31,6.9 v2(20.2,6.9)
OPAMP3_VINM: C10.1 IC1.18 R9.1 R10.2 | length 7.2
  Top Layer w0.15: v2(19.8,10.5) 19.886,10.414 19.886,10.187 20.802,9.271 21.517,9.271 IC1.18
  Bottom Layer w0.15: v2(19.8,10.5) C10.1 21.56,9.36 R9.1 21.675,9.4 22.25,8.825 22.775,8.825 R10.2
OPAMP3_VINP: IC1.27 Q2.1 Q2.2 Q2.3 R19.2 | length 24.4
  Top Layer w0.15: IC1.27 19.071,13.717 19.071,12.029 v2(19.1,12)
  Int4 w0.3: v2(19.1,12) 19.1,13.425 21.235,15.56 23.431,17.756 27.975,22.3 33.1,22.3 v2(35.6,24.8)
OPAMP3_VOUT: C10.2 IC1.17 R8.1 R9.2 | length 7.4
  Top Layer w0.15: v2(18.7,8.4) 18.8,8.4 19.15,8.75 IC1.17
  Bottom Layer w0.15: v2(18.7,8.4) 18.72,8.38 19.46,8.38 C10.2 20.04,7.8 R9.2 R8.1
PGND: C12.2 pad.26@27.5,26 R12.2 R19.1 R24.1 R29.1
  other v1: 32.2,3.1 33,3.1 33.8,3.1 31.4,3.9 32.2,3.9 33,3.9 33.8,3.9 31.4,4.7 32.2,4.7 33,4.7 33.8,4.7 31.4,5.5 32.2,5.5 33,5.5 31.4,6.3 32.2,6.3 31.4,7.1 33.8,7.1 33,7.9 32.2,8.7 31.4,9.5 33.8,9.5 33.8,14.3 33,15.1 33.8,15.1 31.4,17.5 32.2,17.5 33,17.5 33.8,17.5 31.4,18.3 32.2,18.3 33,18.3 33.8,18.3 31.4,19.1 32.2,19.1 33,19.1 33.8,19.1 1.8,23.9 3.4,23.9 5,23.9 6.6,23.9 8.2,23.9 9.8,23.9 11.4,23.9 13,23.9 14.6,23.9 16.2,23.9 17.8,23.9 19.4,23.9 21,23.9 22.6,23.9 24.2,23.9 31.4,24.7 32.2,24.7 1.8,25.5 3.4,25.5 5,25.5 6.6,25.5 8.2,25.5 9.8,25.5 11.4,25.5 13,25.5 14.6,25.5 19.4,25.5 21,25.5 22.6,25.5 24.2,25.5 31.4,25.5 32.2,25.5 33,25.5 31.4,26.3 32.2,26.3 33,26.3 33.8,26.3 1.8,27.1 3.4,27.1 5,27.1 6.6,27.1 8.2,27.1 9.8,27.1 11.4,27.1 13,27.1 14.6,27.1 19.4,27.1 21,27.1 22.6,27.1 24.2,27.1 31.4,27.1 32.2,27.1 33,27.1 31.4,27.9 32.2,27.9
SYS_SWCLK: IC1.38 J2.9 | length 11.7
  Top Layer w0.15: v2(9.5,11.5) 11.622,11.5 11.872,11.75 IC1.38
  Bottom Layer w0.15: J2.9 5.11,8.8 5.741,9.43 7.43,9.43 v2(9.5,11.5)
SYS_SWDIO: IC1.37 J2.8 | length 13.1
  Top Layer w0.15: v2(10.4,12.2) 10.45,12.25 IC1.37
  Bottom Layer w0.15: J2.8 5.69,6.8 10.4,11.51 v2(10.4,12.2)
SYS_SWO: IC1.40 J2.10 | length 10.9
  Top Layer w0.15: v2(5.9,11.3) 6.45,10.75 IC1.40
  Bottom Layer w0.15: J2.10 5.4,10.8 v2(5.9,11.3)
TIM1_CH1: IC1.30 IC2.1 pad.27@14,19.5 | length 10.8
  Top Layer w0.15: pad.27@14,19.5 16.013,19.5 17.975,17.538 17.975,15.321 17.876,15.222 v2(17.876,15.1) 17.876,15.01 17.55,14.684 IC1.30
  Bottom Layer w0.15: v2(17.876,15.1) 17.998,15.1 18.127,14.971 19.704,14.971 IC2.1
TIM1_CH1N: IC1.2 IC2.4 pad.27@14,22 | length 25.2
  Top Layer w0.15: IC1.2 15.05,6.208 15.4,6.558 v2(15.4,6.6)
  Int4 w0.15: pad.27@14,22 16.129,22 v2(21.329,16.8) 15.4,10.871 v2(15.4,6.6)
  Bottom Layer w0.15: IC2.4 19.825,16.8 v2(21.329,16.8)
TIM1_CH2: IC1.31 IC2.2 pad.27@11.5,19.5 | length 12.3
  Top Layer w0.15: pad.27@11.5,19.5 12.796,18.204 14.609,18.204 16.875,15.938 17.362,15.938 v2(17.4,15.9) 17.4,15.858 17.05,15.508 IC1.31
  Bottom Layer w0.15: v2(17.4,15.9) 18.184,15.9 18.463,15.621 19.704,15.621 IC2.2
TIM1_CH2N: IC1.34 IC2.5 pad.27@11.5,22 | length 17.9
  Top Layer w0.15: pad.27@11.5,22 10.2,20.7 10.2,19 11.404,17.796 13.117,17.796 15.714,15.199 15.714,14.986 v2(15.8,14.9) 15.8,14.813 15.55,14.563 IC1.34
  Bottom Layer w0.15: v2(15.8,14.9) 15.771,14.929 15.771,15.871 17.279,17.379 19.704,17.379 IC2.5
TIM1_CH3: IC1.32 IC2.3 pad.27@9,19.5 | length 15
  Top Layer w0.15: v2(16.4,15.6) 16.4,15.478 16.55,15.328 IC1.32
  Int3 w0.15: pad.27@9,19.5 11.046,17.454 14.546,17.454 v2(16.4,15.6)
  Bottom Layer w0.15: v2(16.4,15.6) 16.486,15.686 16.486,15.876 17.139,16.529 18.126,16.529 18.384,16.271 19.704,16.271 IC2.3
TIM1_CH3N: IC1.46 IC2.6 pad.27@9,22 | length 27.6
  Top Layer w0.15: IC1.46 13.083,7.729 13.798,7.729 14.314,7.213 14.314,6.786 v2(14.4,6.7)
  Int4 w0.15: pad.27@9,22 10.425,20.575 14.938,20.575 16.475,19.038 16.475,17.475 v2(16.4,17.4) 14.4,15.4 v2(14.4,6.7)
  Bottom Layer w0.15: v2(16.4,17.4) 16.806,17.806 17.916,17.806 18.235,18.125 IC2.6
USART1_RX: IC1.44 J2.2 | length 12.1
  Top Layer w0.15: J2.2 4.1,4.8 8.05,8.75 IC1.44
USART1_TX: IC1.43 J2.3 | length 11.5
  Top Layer w0.15: J2.3 5.529,6.8 7.979,9.25 IC1.43
USART3_RX: IC1.25 J1.2 | length 17.3
  Top Layer w0.15: IC1.25 20.425,13.738 20.771,14.084 v2(20.771,14.1)
  Int3 w0.15: J1.2 11.02,13.78 20.348,13.78 20.668,14.1 v2(20.771,14.1)
USART3_TX: IC1.22 J1.3 | length 20
  Top Layer w0.15: IC1.22 22.528,11.25 22.778,11.5 v2(22.9,11.5)
  Int3 w0.15: J1.3 9.7,13.1 21.3,13.1 v2(22.9,11.5)
VBATT: C11.2 C12.1 IC2.7 pad.26@27.5,31.8 Q1.5 Q1.6 Q1.7 Q1.8 Q3.5 Q3.6 Q3.7 Q3.8 Q5.5 Q5.6 Q5.7 Q5.8 R13.2 | length 25.2
  Int3 w0.3: v4(15.7,18.8) 15.7,22.7 15.5,22.9 15.5,29.54 C12.1
  Bottom Layer w0.3: R13.2 14.3,17.4 v4(15.7,18.8) C11.2 17.225,18.775 IC2.7
  other v1: 36.6,7.1 37.6,7.1 38.6,7.1 39.6,7.1 40.6,7.1 41.6,7.1 35.6,8.1 36.6,8.1 37.6,8.1 38.6,8.1 39.6,8.1 40.6,8.1 41.6,8.1 35.6,9.1 36.6,9.1 37.6,9.1 38.6,9.1 39.6,9.1 40.6,9.1 41.6,9.1 35.6,10.1 36.6,10.1 37.6,10.1 38.6,10.1 39.6,10.1 40.6,10.1 41.6,10.1 35.6,18.1 36.6,18.1 37.6,18.1 38.6,18.1 41.6,18.1 42.6,18.1 35.6,19.1 36.6,19.1 37.6,19.1 38.6,19.1 39.6,19.1 40.6,19.1 41.6,19.1 42.6,19.1 35.6,20.1 36.6,20.1 37.6,20.1 38.6,20.1 39.6,20.1 40.6,20.1 41.6,20.1 42.6,20.1 35.6,21.1 36.6,21.1 37.6,21.1 38.6,21.1 39.6,21.1 40.6,21.1 41.6,21.1 42.6,21.1 35.6,30.1 36.6,30.1 37.6,30.1 38.6,30.1 39.6,30.1 40.6,30.1 41.6,30.1 1.8,30.3 3.4,30.3 5,30.3 6.6,30.3 8.2,30.3 9.8,30.3 11.4,30.3 13,30.3 14.6,30.3 19.4,30.3 21,30.3 22.6,30.3 24.2,30.3 30.6,30.3 32.2,30.3 33.8,30.3 35.6,31.1 36.6,31.1 37.6,31.1 38.6,31.1 39.6,31.1 40.6,31.1 41.6,31.1 42.6,31.1 1.8,31.9 3.4,31.9 5,31.9 6.6,31.9 8.2,31.9 9.8,31.9 11.4,31.9 13,31.9 14.6,31.9 19.4,31.9 21,31.9 22.6,31.9 24.2,31.9 30.6,31.9 32.2,31.9 33.8,31.9 35.6,32.1 36.6,32.1 37.6,32.1 38.6,32.1 39.6,32.1 40.6,32.1 41.6,32.1 42.6,32.1 35.6,33.1 36.6,33.1 37.6,33.1 38.6,33.1 39.6,33.1 40.6,33.1 41.6,33.1 42.6,33.1 1.8,33.5 3.4,33.5 5,33.5 6.6,33.5 8.2,33.5 9.8,33.5 11.4,33.5 13,33.5 14.6,33.5 16.2,33.5 17.8,33.5 19.4,33.5 21,33.5 22.6,33.5 24.2,33.5 30.6,33.5 32.2,33.5 33.8,33.5 35.6,34.1 36.6,34.1 37.6,34.1 38.6,34.1 39.6,34.1 40.6,34.1 41.6,34.1 42.6,34.1
VDD: C3.2 C4.2 C5.2 C6.2 C7.2 C14.2 IC1.1 IC1.24 IC1.36 IC1.48 IC3.1 J1.1 J2.5 L1.2 | length 48.4
  Top Layer w0.15: J2.5 5.1,10.8 v2(5.841,10.059) ; C6.2 11.895,5.88 12.537,6.522 12.537,6.675 12.612,6.75 IC1.48 ; C7.2@12.54,15.2 12.585,15.2 12.78,15.005 12.78,14.905 13.422,14.263 14.475,14.263 14.55,14.188 IC1.36 ; IC1.24 21.988,12.25 22.063,12.325 22.063,12.775 23.008,13.72 C5.2 C5.2@23.72,13.7
  Top Layer w0.3: v2(10,5.9) 10.01,5.89 11.19,5.89 C6.2 ; v2(11.381,15.343) 12.175,15.343 C7.2@12.336,15.504 ; v2(12.3,3.3) 12.32,3.28 C14.2@13.54,3.28 ; C14.2 14.48,3.26 ; IC1.1 14.55,3.33 14.48,3.26 ; C3.2@15.175,3.26 14.48,3.26 ; C5.2@23.72,13.7 v2(24.8,13.7) ; L1.2 v2(26.2,12.8)
  Bottom Layer w0.15: v2(29.1,2.496) 30.008,2.496 30.279,2.225 39.02,2.225 43.45,6.655 43.45,10.754 41.945,12.259 40.097,13.943 40.08,13.943 39.74,14.283 C4.2 ; C4.2@39.74,14.645 39.74,16.04 IC3.1@40.059,16.359
VDDA: C8.2 C9.2 IC1.20 IC1.21 L1.1 | length 5.2
  Top Layer w0.15: IC1.20 21.538,10.5 ; IC1.21 21.538,10.5 ; C8.2 23.1,10.5 21.538,10.5
  Top Layer w0.3: C8.2 C9.2 L1.1
pads on no net: IC1.3 IC1.4 IC1.33 IC1.39 IC1.41 IC1.42 J2.6 J2.7

## Polygon pours and split planes (outlines as drawn)
DGND on Top Layer "NONET_L-01_P-001" (solid, pour order 80): 0,23 0,2 ccw(c2,2) 2,0 30.5,0 30.5,20.2 27.7,23
PGND on Top Layer "Top Layer-PGND" (solid, pour order 67): 0,23 27.7,23 30.5,20.2 30.5,0 35,0 35,29 0,29
VBATT on Top Layer "NONET_L-01_P-001" (solid, pour order 12): 43.8,6 43.8,11.3 35,11.3 35,6
OPAMP2_VINP on Top Layer "NONET_L-01_P-001" (solid, pour order 3): 40.2,11.4 35,11.4 35,17.25 40.2,17.25
OPAMP1_VINP on Top Layer "NONET_L-01_P-001" (solid, pour order 0): 40.2,0 35,0 35,5.8 40.2,5.8
NetC17_1 on Top Layer "NONET_L-01_P-001" (solid, pour order 91): 41,12 41,17.3 44,17.3 44,21.5 50,21.5 50,12
OPAMP3_VINP on Top Layer "NONET_L-01_P-001" (solid, pour order 4): 40.2,23.3 35,23.3 35,29 40.2,29
VBATT on Top Layer "NONET_L-01_P-001" (solid, pour order 11): 43.8,17.55 43.8,22.85 35,22.85 35,17.55
VBATT on Top Layer "NONET_L-01_P-001" (solid, pour order 78): 0,29 0,33 cw(c2,33) 2,35 43.8,35 43.8,29
NetC19_1 on Top Layer "NONET_L-01_P-001" (solid, pour order 39): 44,10 50,10 50,2 cw(c48,2) 48,0 41,0 41,5.8 44,5.8
NetC15_1 on Top Layer "NONET_L-01_P-001" (solid, pour order 20): 41,23.5 41,28.8 44,28.8 44,33 50,33 50,23.5
DGND on Bottom Layer "NONET_L-01_P-001" (solid, pour order 90): 0,23 0,2 ccw(c2,2) 2,0 30.5,0 30.5,20.2 27.7,23
PGND on Bottom Layer "Bottom Layer-PGND" (solid, pour order 81): 0,23 27.7,23 30.5,20.2 30.5,0 35,0 35,29 0,29
NetC17_1 on Bottom Layer "NONET_L-01_P-001" (solid, pour order 19): 41,12 41,17.3 44,17.3 44,21.5 50,21.5 50,12
VBATT on Bottom Layer "Bottom Layer-No Net" (solid, pour order 24): 32,29 35,26 35,0 41,0 41,5.8 43.989,5.8 43.989,12 41,12 41,17.3 43.989,17.3 43.989,23.5 41,23.5 41,29 43.8,29 43.8,35 2,35 ccw(c2,33) 0,33 0,29
NetC19_1 on Bottom Layer "NONET_L-01_P-001" (solid, pour order 56): 44,10 50,10 50,2 cw(c48,2) 48,0 41,0 41,5.8 44,5.8
NetC15_1 on Bottom Layer "NONET_L-01_P-001" (solid, pour order 35): 41,23.5 41,28.8 44,28.8 44,33 50,33 50,23.5
DGND on Int4 "NONET_L-01_P-001" (solid, pour order 89): 0,23 0,2 ccw(c2,2) 2,0 30.5,0 30.5,20.2 27.7,23
PGND on Int4 "Int4-PGND" (solid, pour order 82): 0,23 27.7,23 30.5,20.2 30.5,0 35,0 35,29 0,29
VBATT on Int4 "Int4-No Net" (solid, pour order 25): 32,29 35,26 35,0 41,0 41,5.8 43.989,5.8 43.989,12 41,12 41,17.3 43.989,17.3 43.989,23.5 41,23.5 41,29 43.8,29 43.8,35 2,35 ccw(c2,33) 0,33 0,29
NetC17_1 on Int4 "NONET_L-01_P-001" (solid, pour order 95): 41,12 41,17.3 44,17.3 44,21.5 50,21.5 50,12
NetC19_1 on Int4 "NONET_L-01_P-001" (solid, pour order 55): 44,10 50,10 50,2 cw(c48,2) 48,0 41,0 41,5.8 44,5.8
NetC15_1 on Int4 "NONET_L-01_P-001" (solid, pour order 36): 41,23.5 41,28.8 44,28.8 44,33 50,33 50,23.5
VDD on Int3 "NONET_L-01_P-001" (solid, pour order 87): 0,23 0,2 ccw(c2,2) 2,0 30.5,0 30.5,20.2 27.7,23
NetC17_1 on Int3 "NONET_L-01_P-001" (solid, pour order 94): 41,12 41,17.3 44,17.3 44,21.5 50,21.5 50,12
VBATT on Int3 "Int3-No Net" (solid, pour order 26): 32,29 35,26 35,0 41,0 41,5.8 43.989,5.8 43.989,12 41,12 41,17.3 43.989,17.3 43.989,23.5 41,23.5 41,29 43.8,29 43.8,35 2,35 ccw(c2,33) 0,33 0,29
PGND on Int3 "Int3-PGND" (solid, pour order 85): 0,23 27.7,23 30.5,20.2 30.5,0 35,0 35,29 0,29
NetC19_1 on Int3 "NONET_L-01_P-001" (solid, pour order 59): 44,10 50,10 50,2 cw(c48,2) 48,0 41,0 41,5.8 44,5.8
NetC15_1 on Int3 "NONET_L-01_P-001" (solid, pour order 37): 41,23.5 41,28.8 44,28.8 44,33 50,33 50,23.5
DGND on Int2 "NONET_L-01_P-001" (solid, pour order 75): 0,23 0,2 ccw(c2,2) 2,0 30.5,0 30.5,20.2 27.7,23
NetC17_1 on Int2 "NONET_L-01_P-001" (solid, pour order 83): 41,12 41,17.3 44,17.3 44,21.5 50,21.5 50,12
PGND on Int2 "Int2-PGND" (solid, pour order 93): 0,23 27.7,23 30.5,20.2 30.5,0 50,0 50,29 0,29
VBATT on Int2 "NONET_L-01_P-001" (solid, pour order 40): 0,29 0,33 cw(c2,33) 2,35 43.8,35 43.8,29
NetC19_1 on Int2 "NONET_L-01_P-001" (solid, pour order 38): 44,10 50,10 50,2 cw(c48,2) 48,0 41,0 41,5.8 44,5.8
NetC15_1 on Int2 "NONET_L-01_P-001" (solid, pour order 27): 41,23.5 41,28.8 44,28.8 44,33 50,33 50,23.5
DGND on Int1 "NONET_L-01_P-001" (solid, pour order 88): 0,23 0,2 ccw(c2,2) 2,0 30.5,0 30.5,20.2 27.7,23
PGND on Int1 "Int1-PGND" (solid, pour order 84): 0,23 27.7,23 30.5,20.2 30.5,0 35,0 35,29 0,29
VBATT on Int1 "Int1-No Net" (solid, pour order 28): 32,29 35,26 35,0 41,0 41,5.8 43.989,5.8 43.989,12 41,12 41,17.3 43.989,17.3 43.989,23.5 41,23.5 41,29 43.8,29 43.8,35 2,35 ccw(c2,33) 0,33 0,29
NetC17_1 on Int1 "NONET_L-01_P-001" (solid, pour order 92): 41,12 41,17.3 44,17.3 44,21.5 50,21.5 50,12
NetC15_1 on Int1 "NONET_L-01_P-001" (solid, pour order 64): 41,23.5 41,28.8 44,28.8 44,33 50,33 50,23.5
NetC19_1 on Int1 "NONET_L-01_P-001" (solid, pour order 57): 44,10 50,10 50,2 cw(c48,2) 48,0 41,0 41,5.8 44,5.8

## Silkscreen, mask and mechanical layers (free items; w line width, h text height)
Mechanical 1:
  lines w0.2: 0,5.5 0,2 ccw(c2,2) 2,0 48,0 ccw(c48,2) 50,2 50,33 ccw(c48,33) 48,35 2,35 ccw(c2,33) 0,33 0,6.1